# Allegro board ADALM-PLUTO Layout.brd (continued)
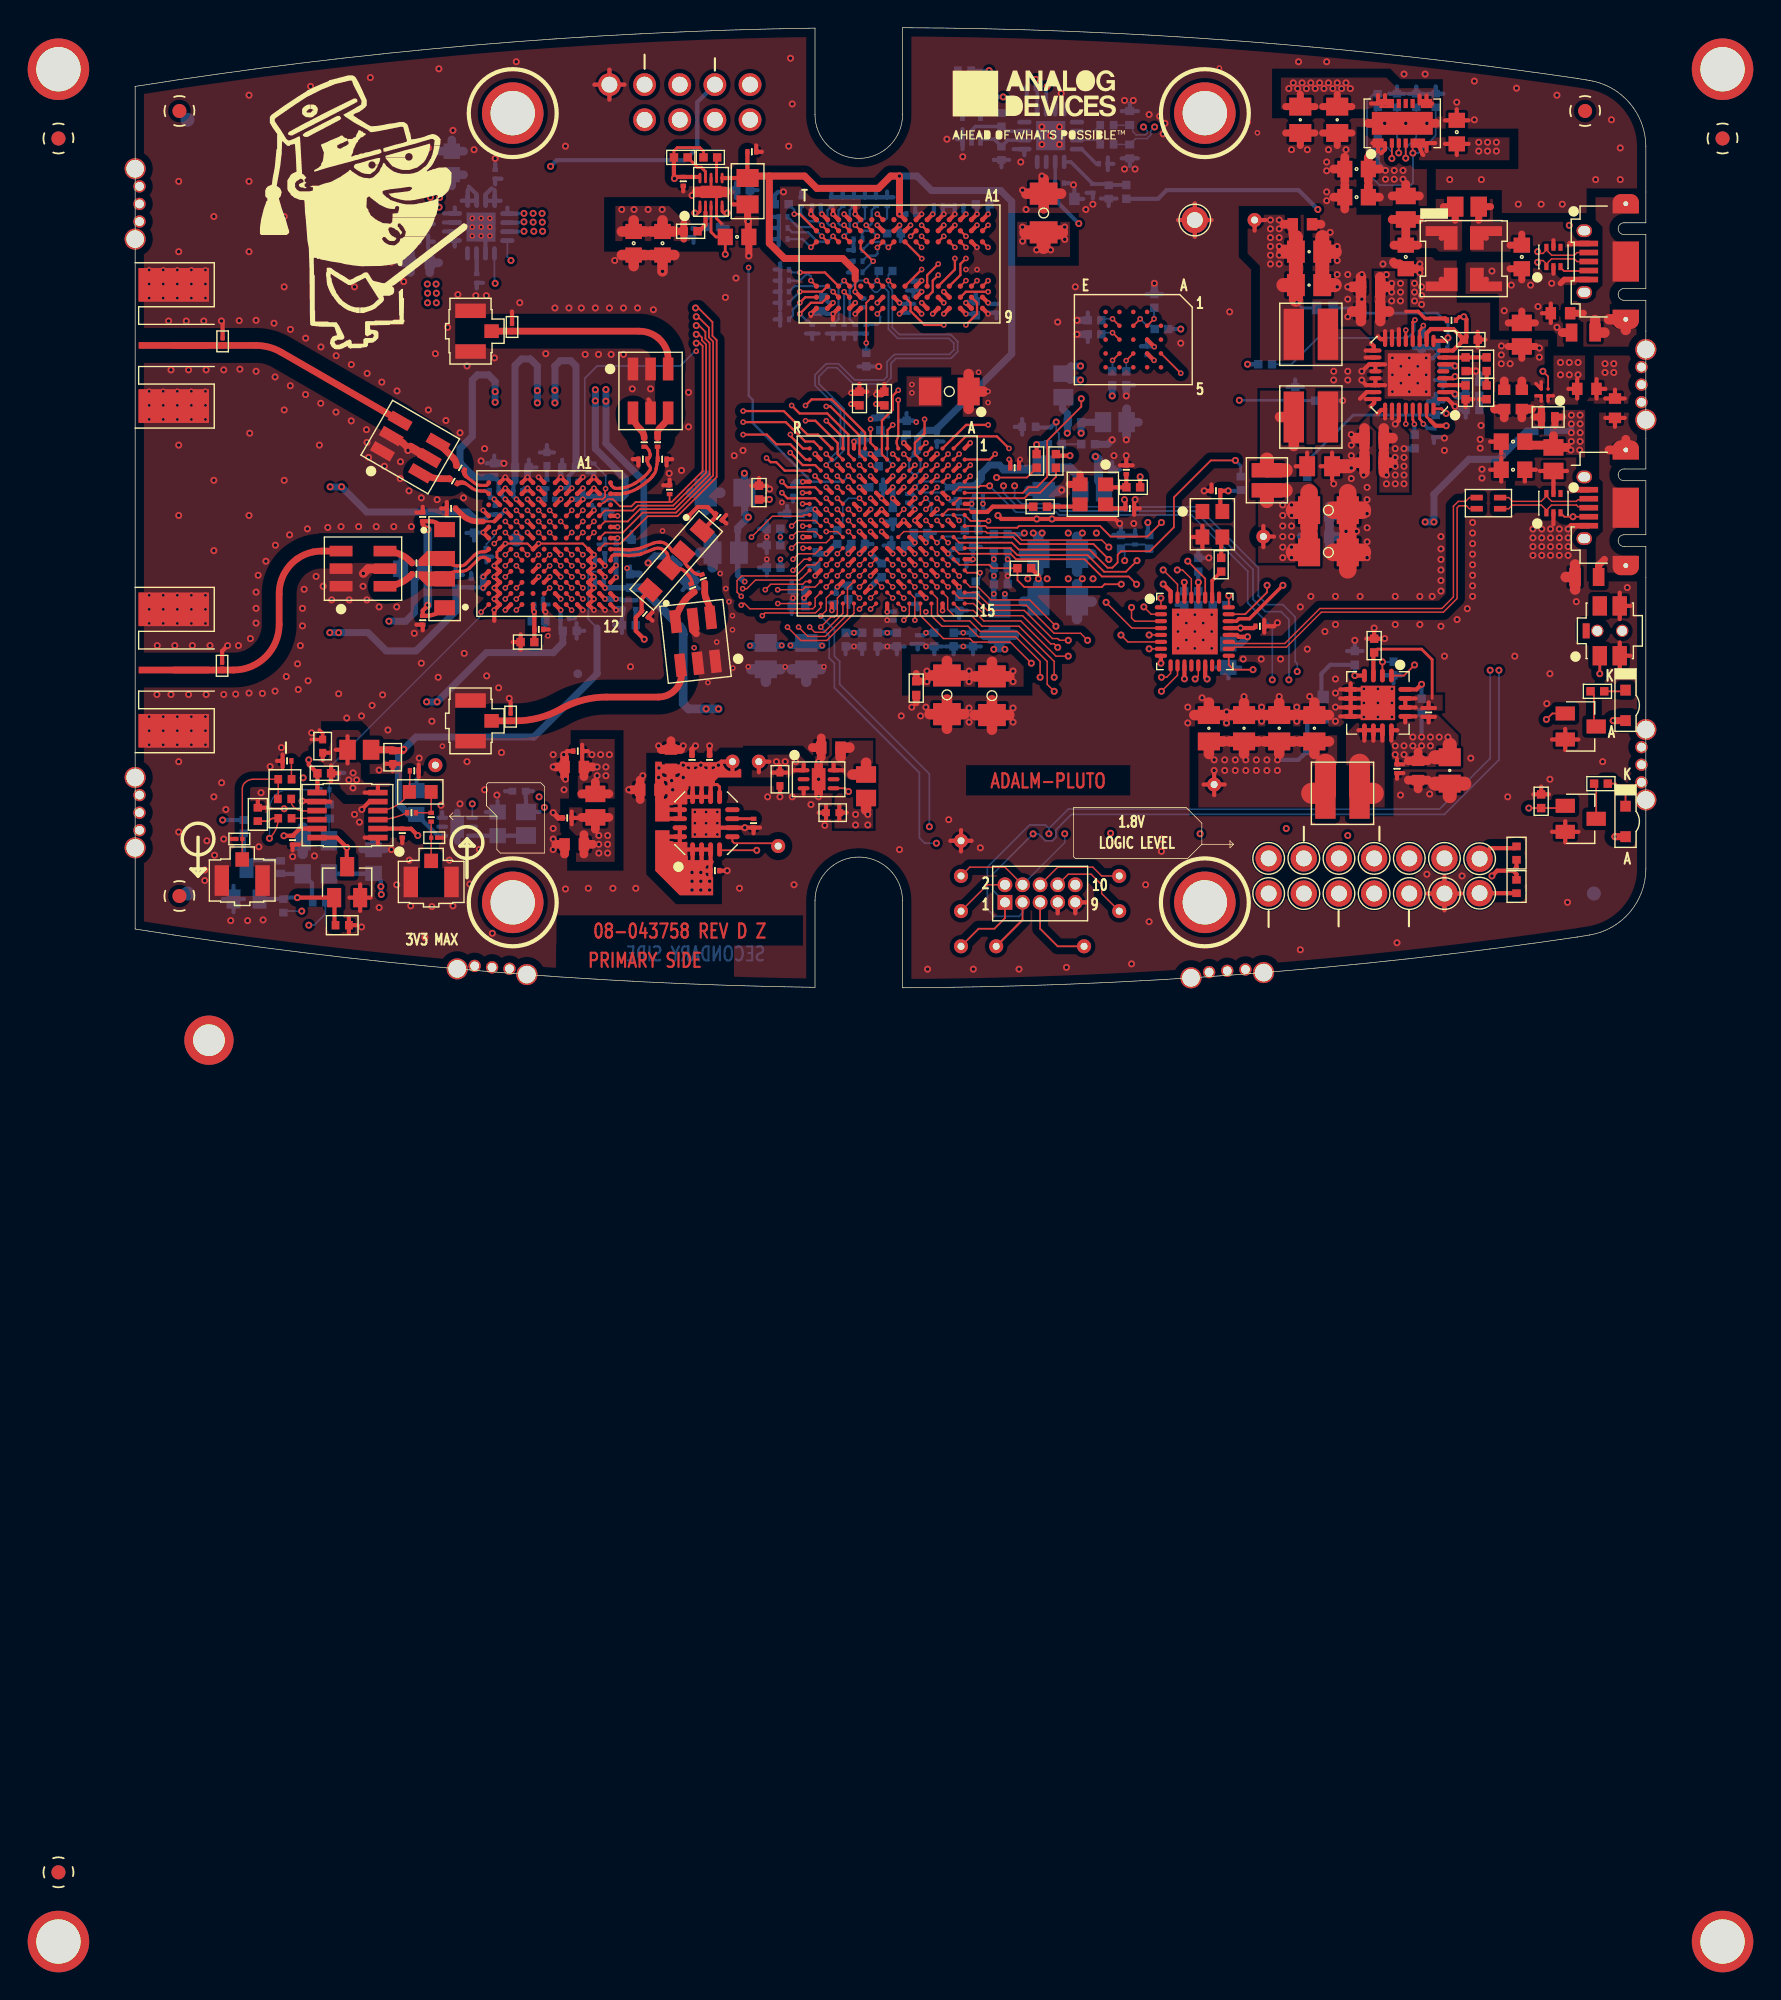
[diagram p0: board, top side]
## Routing (per net, layer and track width the routed paths; a pad name or vN(x,y) marks a point on that pad's centre or on a via; arc(x,y) is an arc through that point) (continued)
IO_L04_34_RX_D7: length 49.7
  TOP w0.102: v2(53.13,28.15) U4.J14 ; U5.J9 v2(27.54,30.48)
  L5_SIG w0.114: v2(27.54,30.48) 27.54,29.97 28.17,29.34 28.17,25.47 28.55,25.09 28.85,25.09 28.99,25.24 28.99,26.22 29.14,26.36 29.34,26.36 29.45,26.26 29.45,25.27 29.66,25.05 31,25.05 31.6,25.65 31.6,26.22 31.75,26.36 31.95,26.36 32.1,26.22 32.1,25.75 32.24,25.6 32.45,25.6 32.59,25.75 32.59,26.22 32.74,26.36 32.94,26.36 33.09,26.22 33.09,25.75 33.23,25.6 33.44,25.6 33.58,25.75 33.58,26.22 33.73,26.36 33.93,26.36 34.08,26.22 34.08,25.75 34.22,25.6 34.43,25.6 34.57,25.75 34.57,26.22 34.72,26.36 34.92,26.36 35.07,26.22 35.07,25.75 35.21,25.6 35.42,25.6 35.56,25.75 35.56,26.22 35.71,26.36 35.91,26.36 36.06,26.22 36.06,25.75 36.2,25.6 37.99,25.6 38.13,25.46 38.13,25.11 38.28,24.97 38.48,24.97 38.63,25.11 38.63,25.46 38.77,25.6 39.72,25.6 40.39,24.93 40.54,24.93 40.76,24.71 40.76,24.57 41.81,23.51 41.81,23.31 41.38,22.88 41.38,22.67 41.53,22.53 41.73,22.53 42.16,22.96 42.37,22.96 42.51,22.81 42.51,22.61 42.21,22.3 42.21,22.1 42.36,21.95 42.56,21.95 42.86,22.26 43.07,22.26 43.41,21.92 50.52,21.92 52.73,24.13 52.73,27.75 v2(53.13,28.15)
IO_L05_34_RX_D8: length 49
  TOP w0.102: v2(53.13,27.35) U4.J15 ; U5.K7 v2(26.74,31.28)
  L5_SIG w0.114: v2(26.74,31.28) 27.14,30.88 27.14,29.94 27.91,29.17 27.91,29.04 27.92,29.03 27.92,25.22 28.57,24.56 29.31,24.56 29.46,24.71 30.07,24.71 30.2,24.58 32.23,24.58 32.32,24.67 32.32,25.14 32.42,25.24 32.72,25.24 32.82,25.14 32.82,24.66 32.97,24.51 33.32,24.51 33.5,24.69 33.5,25.09 33.63,25.22 34.01,25.22 34.14,25.09 34.14,24.56 34.26,24.43 34.77,24.43 34.9,24.56 34.9,25.09 35.02,25.22 35.41,25.22 35.53,25.09 35.53,24.69 35.61,24.61 35.81,24.61 35.91,24.71 35.91,25.02 36.02,25.13 36.21,25.13 36.35,24.98 36.35,24.68 36.5,24.53 37.06,24.53 37.31,24.79 37.31,25.13 37.4,25.22 37.6,25.22 37.75,25.07 37.75,24.76 38.25,24.25 38.56,24.25 39.39,25.09 39.6,25.09 39.85,24.84 39.85,24.58 39.39,24.12 39.39,24.03 39.54,23.88 39.74,23.88 39.99,24.14 40.2,24.14 40.36,23.98 40.36,23.8 40.09,23.53 40.09,23.33 40.24,23.18 40.44,23.18 40.91,23.65 41.11,23.65 41.26,23.51 41.26,23.3 40.74,22.78 40.74,22.55 40.87,22.43 40.87,21.79 40.98,21.67 41.75,21.67 41.88,21.54 50.77,21.54 53.13,23.89 v2(53.13,27.35)
IO_L05_34_RX_D9: length 49.1
  TOP w0.102: U5.J8 v2(27.54,31.28) ; v2(52.33,27.35) U4.K15
  L5_SIG w0.114: v2(27.54,31.28) 27.95,30.88 27.95,30.07 28.45,29.57 28.45,26.97 28.67,26.74 29.82,26.74 30.07,27 30.33,27 30.59,26.73 30.59,25.62 30.74,25.47 30.94,25.47 31.09,25.62 31.09,26.6 31.23,26.74 35.11,26.74 35.25,26.89 35.25,28.7 35.4,28.85 35.6,28.85 35.75,28.7 35.75,26.89 35.89,26.74 36.3,26.74 36.45,26.6 36.45,26.13 36.59,25.98 36.8,25.98 36.94,26.13 36.94,26.5 37.09,26.64 37.29,26.64 37.44,26.5 37.44,26.13 37.58,25.98 37.79,25.98 38,26.19 38,27.45 38.15,27.61 38.38,27.61 38.48,27.51 38.48,26.11 38.61,25.98 38.86,25.98 38.99,26.11 38.99,27.51 39.09,27.61 39.35,27.61 39.47,27.49 39.47,26.16 39.64,25.98 39.98,25.98 42.81,23.15 42.81,22.93 43.02,22.71 43.25,22.71 43.66,22.3 50.26,22.3 52.33,24.36 v2(52.33,27.35)
IO_L06_34_RX_D10: length 49.5
  TOP w0.102: U5.J7 v2(28.35,31.28) ; U4.H11 v2(54.73,30.55)
  L5_SIG w0.114: v2(28.35,31.28) 28.35,30.02 28.75,29.62 28.75,28.59 29.66,27.68 34.14,27.68 34.35,27.88 34.35,28.48 35.15,29.28 35.99,29.28 36.13,29.13 36.13,27.27 36.28,27.12 36.48,27.12 36.63,27.27 36.63,29.13 36.77,29.28 36.98,29.28 37.12,29.13 37.12,28.16 37.27,28.01 37.47,28.01 37.62,28.16 37.62,29.13 37.76,29.28 37.97,29.28 38.11,29.13 38.11,28.16 38.26,28.01 38.46,28.01 38.61,28.16 38.61,29.13 38.76,29.28 38.97,29.28 39.09,29.16 39.09,28.39 39.85,27.63 39.85,26.66 41.64,24.88 41.64,24.73 42.91,23.46 43.33,23.46 43.55,23.24 43.55,22.97 43.84,22.68 49.88,22.68 51.53,24.33 51.53,28.05 52.03,28.55 53.33,28.55 53.53,28.75 53.53,29.16 53.81,29.44 53.81,29.63 v2(54.73,30.55)
IO_L06_34_RX_D11: length 51.9
  TOP w0.102: U5.H8 v2(29.15,31.28) ; U4.J11 v2(53.13,30.55)
  L5_SIG w0.114: v2(29.15,31.28) 29.56,30.86 29.56,28.65 29.74,28.48 30.95,28.48 31.15,28.68 31.15,29.88 31.35,30.08 31.74,30.08 31.94,29.88 31.94,28.68 32.14,28.48 32.54,28.48 32.74,28.68 32.74,29.88 32.94,30.08 33.35,30.08 33.54,29.88 33.54,29.48 33.74,29.28 34.15,29.28 34.35,29.48 34.35,29.88 34.55,30.08 35.13,30.08 35.42,29.79 35.79,29.79 36.29,30.3 36.68,30.3 37,29.97 37,29.81 37.15,29.66 37.35,29.66 37.5,29.81 37.5,30.33 37.64,30.48 37.9,30.48 38.07,30.3 38.07,29.79 38.2,29.66 39.22,29.66 39.45,29.43 39.45,28.58 40.23,27.79 40.23,26.87 40.4,26.7 40.61,26.7 40.91,27 41.12,27 41.26,26.86 41.26,26.65 40.96,26.35 40.96,26.14 41.1,26 41.31,26 41.61,26.3 41.82,26.3 41.96,26.16 41.96,25.95 41.66,25.65 41.66,25.44 41.76,25.34 42.05,25.34 42.31,25.6 42.52,25.6 42.66,25.46 42.66,25.25 42.42,25.01 42.42,24.81 42.57,24.66 42.77,24.66 43.01,24.9 43.22,24.9 43.36,24.76 43.36,24.55 43.16,24.35 43.16,24.12 43.72,23.57 44.57,23.57 44.71,23.71 44.71,24.06 44.86,24.2 45.06,24.2 45.21,24.06 45.21,23.71 45.35,23.57 45.82,23.57 45.96,23.42 45.96,23.21 46.11,23.06 46.31,23.06 46.46,23.21 46.46,23.42 46.6,23.57 47.32,23.57 47.47,23.42 47.47,23.21 47.61,23.06 47.82,23.06 47.97,23.21 47.97,23.42 48.11,23.57 48.32,23.57 48.46,23.42 48.46,23.21 48.61,23.06 48.81,23.06 48.96,23.21 48.96,23.42 49.1,23.57 50.14,23.57 51.15,24.58 51.15,28.17 51.83,28.85 51.83,29.15 52.03,29.35 53.38,29.35 53.57,29.54 53.57,30.43 53.45,30.55 v2(53.13,30.55)
IO_L07_34_RX_FRAME: length 53.7
  TOP w0.102: U5.G8 v2(29.95,31.28) ; v2(49.93,28.95) U4.N13
  L5_SIG w0.114: v2(49.93,28.95) 49.93,25.9 50.36,25.47 50.36,24.77 49.86,24.27 46.13,24.27 45.61,24.8 45.61,25 45.91,25.31 45.91,25.51 45.77,25.66 45.56,25.66 45.26,25.35 45.05,25.35 44.91,25.5 44.91,25.7 45.21,26.01 45.21,26.21 45.07,26.36 44.86,26.36 44.56,26.05 44.35,26.05 44.21,26.2 44.21,26.4 44.91,27.11 44.91,27.31 44.77,27.46 44.56,27.46 43.95,26.85 43.7,26.85 43.41,27.14 43.41,29.13 42.64,29.9 42.64,30.07 42.42,30.29 42.25,30.29 41.8,30.73 41.6,30.73 41.18,30.32 40.98,30.32 40.83,30.46 40.83,30.67 41.25,31.08 41.25,31.29 41.1,31.43 40.9,31.43 40.48,31.02 40.28,31.02 39.78,31.51 39.78,31.79 39.92,31.93 40.84,31.93 40.99,32.08 40.99,32.28 40.84,32.43 39.92,32.43 39.78,32.57 39.78,32.78 39.92,32.93 40.34,32.93 40.49,33.07 40.49,33.28 40.34,33.42 39.43,33.42 39.28,33.28 39.28,32.35 39.14,32.2 38.93,32.2 38.79,32.35 38.79,33.68 38.64,33.82 38.44,33.82 38.29,33.68 38.29,33.41 38.25,33.36 37.94,33.36 37.8,33.51 37.8,33.68 37.65,33.82 37.45,33.82 37.3,33.68 37.3,32.35 37.16,32.2 36.95,32.2 36.81,32.35 36.81,33.23 36.66,33.37 35.64,33.37 35.45,33.18 35.45,32.94 35.59,32.79 36.2,32.79 36.35,32.65 36.35,32.44 36.2,32.3 35.59,32.3 35.45,32.15 35.45,31.88 35.25,31.68 35.06,31.68 34.79,31.95 34.55,31.95 34.28,31.68 34.07,31.68 33.93,31.82 33.93,32.23 33.78,32.38 33.58,32.38 33.43,32.23 33.43,31.82 33.29,31.68 33.08,31.68 32.94,31.82 32.94,32.23 32.79,32.38 32.59,32.38 32.44,32.23 32.44,31.82 32.3,31.68 32.09,31.68 31.95,31.82 31.95,32.23 31.8,32.38 31.6,32.38 31.45,32.23 31.45,31.82 31.31,31.68 30.35,31.68 v2(29.95,31.28)
IO_L08_34_CTRL_OUT0: length 30.4
  TOP w0.102: U5.D4 v2(32.34,34.48) ; v2(47.13,26.05) 48.09,25.08 49.97,25.08 51.93,27.04 U4.L15
  L5_SIG w0.114: v2(47.13,26.05) 47.13,27.94 46.83,28.25 46.23,28.25 45.95,28.52 45.95,29.02 42.52,32.45 42.52,34.11 40.99,35.63 35.91,35.63 35.07,36.48 32.95,36.48 32.75,36.28 32.75,34.88 v2(32.34,34.48)
IO_L08_34_CTRL_OUT1: length 31.1
  TOP w0.102: U5.E4 v2(31.54,34.48) ; v2(48.73,26.05) 49.1,25.67 49.76,25.67 51.13,27.04 U4.M15
  L5_SIG w0.114: v2(31.54,34.48) 31.95,34.88 31.95,37.08 32.15,37.28 35.15,37.28 36.42,36.01 41.12,36.01 42.9,34.24 42.9,33.47 43.62,32.75 43.62,31.85 45.33,30.15 45.73,30.15 46.83,29.05 48.23,29.05 48.73,28.55 v2(48.73,26.05)
IO_L09_34_TX_FRAME: length 28.7
  TOP w0.102: v2(52.33,28.15) U4.L14 ; v2(29.94,30.48) U5.G9
  L6_SIG w0.114: v2(29.94,30.48) 29.94,30.43 30.33,30.05 30.33,27.12 32.1,25.35 36.36,25.35 36.6,25.59 36.95,25.59 37.21,25.34 42.4,25.34 42.68,25.22 48.76,25.22 49.86,25.67 v2(52.33,28.15)
IO_L10_34_EN_AGC: length 35.1
  TOP w0.102: v2(47.93,26.05) 48.6,25.37 49.86,25.37 51.46,26.97 51.46,28.88 U4.L13 ; U5.G5 v2(29.14,33.68)
  L5_SIG w0.114: v2(47.93,26.05) 47.45,25.57 46.9,25.57 46.63,25.84 46.63,26.84 45.13,28.35 45.13,29.35 42.14,32.33 42.14,33.98 40.87,35.25 34.01,35.25 33.65,34.89 33.65,34.28 33.45,34.08 32.15,34.08 30.55,32.48 29.75,32.48 29.55,32.68 29.55,33.28 v2(29.14,33.68)
IO_L11_34_ENABLE: length 30.6
  TOP w0.102: U5.G6 v2(29.14,32.88) ; U4.K12 v2(52.33,29.75)
  L6_SIG w0.114: v2(52.33,29.75) 51.93,30.15 51.33,30.15 51.13,30.35 51.13,32.35 50.13,33.35 49.33,33.35 48.83,33.85 48.12,33.85 47.83,33.55 47.83,33.15 47.63,32.95 47.23,32.95 46.63,33.55 45.49,33.55 43.53,35.51 32.64,35.51 32.5,35.65 31.39,35.65 31.17,35.43 31.17,35.1 30.15,34.08 29.75,34.08 29.55,33.88 29.55,33.28 v2(29.14,32.88)
IO_L11_34_TXNRX: length 32.7
  TOP w0.102: U4.K11 v2(52.33,30.55) ; U5.H4 v2(28.35,34.48)
  L6_SIG w0.114: v2(28.35,34.48) 28.75,34.88 28.75,37.18 29.48,37.92 42.16,37.92 45.93,34.15 51.73,34.15 51.93,33.95 51.93,30.95 v2(52.33,30.55)
IO_L12_MRCC_34_DATA_CLK: length 52.3
  TOP w0.102: U4.L12 v2(51.53,29.75) ; U5.G11 v2(29.95,28.88)
  L5_SIG w0.114: v2(51.53,29.75) 51.53,29.05 50.77,28.29 50.77,24.69 50.03,23.95 45.95,23.95 44.55,25.35 44.34,25.35 43.91,24.92 43.71,24.92 43.56,25.06 43.56,25.27 43.99,25.7 43.99,25.9 43.58,26.32 42.31,26.32 42.16,26.47 42.16,26.67 42.72,27.23 42.72,27.43 42.59,27.56 42.35,27.56 41.81,27.02 41.61,27.02 41.46,27.17 41.46,27.37 42.4,28.31 42.4,28.51 42.25,28.66 42.05,28.66 40.98,27.59 40.78,27.59 40.63,27.74 40.63,27.94 42.08,29.39 42.08,29.58 41.89,29.76 41.89,29.78 41.89,29.78 41.68,29.78 40.32,28.42 40.11,28.42 39.97,28.56 39.97,28.77 40.74,29.54 40.74,29.92 40.5,30.16 40.29,30.16 39.93,29.79 39.72,29.79 39.58,29.94 39.58,30.14 39.94,30.51 39.94,30.72 39.8,30.86 39.59,30.86 38.97,30.24 38.77,30.24 38.62,30.39 38.62,30.59 39.24,31.21 39.24,31.54 38.96,31.82 38.45,31.82 38.31,31.68 38.31,31.02 38.16,30.88 37.92,30.88 37.78,31.02 37.78,31.68 37.63,31.82 37.43,31.82 37.28,31.68 37.28,31.36 37.12,31.21 36.94,31.21 36.79,31.36 36.79,31.68 36.64,31.82 36.43,31.82 36.29,31.68 36.29,30.9 36.14,30.75 35.94,30.75 35.79,30.9 35.79,31.17 35.65,31.32 35.44,31.32 35.3,31.17 35.3,31.08 35.1,30.88 30.55,30.88 30.35,30.68 30.35,29.28 v2(29.95,28.88)
IO_L13_34_CTRL_OUT2: length 29.4
  TOP w0.102: U5.E5 v2(30.74,33.68) ; U4.N11 v2(49.93,30.55)
  L5_SIG w0.114: v2(49.93,30.55) 48.63,30.55 47.83,29.74 47.13,29.74 46.13,30.75 46.13,31.05 44.93,32.25 44.93,32.85 44.52,33.25 44.22,33.25 43.53,33.94 43.53,34.62 41.41,36.75 38.77,36.75 38.76,36.73 38.41,36.73 38.39,36.75 36.71,36.75 35.41,38.05 31.98,38.05 31.21,37.28 31.21,36.75 30.94,36.48 30.44,36.48 30.25,36.28 30.25,35.18 30.74,34.68 v2(30.74,33.68)
IO_L13_34_CTRL_OUT3: length 30.4
  TOP w0.102: U5.E6 v2(31.54,32.88) ; U4.N12 v2(49.93,29.75)
  L5_SIG w0.114: v2(31.54,32.88) 31.94,33.28 33.55,33.28 34.05,33.78 34.05,34.53 34.39,34.87 39.66,34.87 41.37,33.16 41.37,32.1 41.82,31.65 42.32,31.65 43.55,30.42 43.56,30.42 43.78,30.2 43.78,30.18 44.83,29.14 44.83,28.1 46.23,26.7 46.23,25.74 46.78,25.19 48.58,25.19 49.13,25.74 49.13,28.95 v2(49.93,29.75)
IO_L15_34_TX_D0: length 23.5
  TOP w0.102: v2(31.53,27.27) 31.22,27.58 31.22,27.6 U5.E12 ; U4.P15 49.53,27.45 49.15,27.07 45.51,27.07 v2(45.31,26.87)
  L6_SIG w0.114: v2(45.31,26.87) 45.95,26.87 46.2,26.62 46.2,26.36 45.82,25.98 43.55,25.98 43.31,26.23 43.24,26.23 43.23,26.24 42.78,26.24 42.52,25.98 42.15,25.98 41.89,26.24 41.44,26.24 41.19,25.98 40.82,25.98 40.56,26.24 40.11,26.24 39.85,25.98 39.48,25.98 39.22,26.24 38.77,26.24 38.52,25.98 38.14,25.98 37.88,26.24 37.43,26.24 37.28,26.08 36.7,26.08 36.55,26.24 35.28,26.24 34.9,25.85 32.57,25.85 31.53,26.89 v2(31.53,27.27)
IO_L15_34_TX_D1: length 23.3
  TOP w0.102: v2(45.53,28.75) 45.92,29.14 48.23,29.14 48.43,29.34 48.72,29.34 U4.R13 ; U5.D11 v2(32.35,28.08)
  L6_SIG w0.114: v2(45.53,28.75) 44.83,28.75 44.43,28.35 44.43,27.64 44.05,27.26 43.63,27.26 43.39,27.51 41.96,27.51 41.83,27.64 41.83,28.12 41.68,28.27 41.47,28.27 41.33,28.12 41.33,27.52 41.18,27.38 40.98,27.38 40.83,27.52 40.83,28.12 40.69,28.27 40.48,28.27 40.34,28.12 40.34,27.52 40.19,27.38 39.99,27.38 39.84,27.52 39.84,28.12 39.7,28.27 39.49,28.27 39.35,28.12 39.35,27.52 39.2,27.38 38.45,27.38 37.69,28.14 35.41,28.14 34.94,27.68 32.95,27.68 32.74,27.88 32.74,28 32.67,28.08 v2(32.35,28.08)
IO_L16_34_TX_D2: length 22.6
  TOP w0.102: v2(46.43,27.75) U4.R15 ; v2(31.54,28.07) 31.53,28.08 31.53,28.09 U5.E11
  L6_SIG w0.114: v2(31.54,28.07) 31.54,27.78 31.64,27.68 31.74,27.68 31.94,27.48 31.94,26.98 32.43,26.49 35.66,26.49 35.89,26.72 35.89,27.13 36.04,27.28 36.24,27.28 36.39,27.13 36.39,26.82 36.59,26.62 42.88,26.62 43.01,26.49 44.3,26.49 45.44,27.63 45.74,27.63 46.18,27.19 47.07,27.19 47.27,27.39 47.27,27.57 47.09,27.75 v2(46.43,27.75)
IO_L16_34_TX_D3: length 23.8
  TOP w0.102: v2(43.79,28.27) 43.67,28.38 43.48,28.57 43.48,29.41 43.82,29.75 47.73,29.75 48.53,30.54 49.12,30.54 U4.P11 ; U5.D10 v2(32.34,28.88)
  L6_SIG w0.114: v2(43.79,28.27) 42.77,29.28 41.49,29.28 41.26,29.05 41.05,29.05 40.91,29.19 40.91,29.43 40.76,29.58 40.56,29.58 40.41,29.43 40.41,29.19 40.27,29.05 40.06,29.05 39.92,29.19 39.92,29.43 39.77,29.58 39.57,29.58 39.42,29.43 39.42,29.19 39.28,29.05 39.07,29.05 38.93,29.19 38.93,29.43 38.78,29.58 38.58,29.58 38.43,29.43 38.43,29.07 38.29,28.92 38.08,28.92 37.94,29.07 37.94,29.43 37.79,29.58 37.55,29.58 36.95,28.98 35.95,28.98 35.66,29.27 32.73,29.27 v2(32.34,28.88)
IO_L17_34_TX_D4: length 23.4
  TOP w0.102: U5.E10 v2(31.54,28.88) ; U4.R11 48.33,30.95 v2(47.53,30.15)
  L6_SIG w0.114: v2(47.53,30.15) 47.96,29.72 47.96,29.28 46.96,28.28 45.07,28.28 44.85,28.06 44.85,27.56 44.3,27 43.55,27 43.31,27.24 43,27.24 42.75,27 38.33,27 37.69,27.63 35.7,27.63 35.41,27.34 35.41,27 35.19,26.78 32.95,26.78 32.74,26.98 32.74,27.48 32.55,27.68 32.15,27.68 31.94,27.88 31.94,28.28 31.74,28.48 31.62,28.48 31.54,28.55 v2(31.54,28.88)
IO_L17_34_TX_D5: length 22.6
  TOP w0.102: v2(43.89,28.82) 43.89,28.82 44.19,28.82 44.81,29.45 48,29.45 48.13,29.57 48.15,29.57 U4.R12 ; U5.D9 v2(32.34,29.68)
  L6_SIG w0.114: v2(32.34,29.68) 32.75,30.08 35.13,30.08 35.33,29.88 35.55,29.88 36.05,29.38 36.75,29.38 37.35,29.98 41.06,29.98 41.37,29.66 41.99,29.66 42.11,29.55 42.42,29.55 42.54,29.66 43.53,29.66 43.93,30.06 43.93,30.3 44.08,30.45 44.93,30.45 45.31,30.06 45.31,29.74 44.48,28.9 43.97,28.9 v2(43.89,28.82)
IO_L18_34_TX_D6: length 22.8
  TOP w0.102: U5.E9 v2(31.54,29.68) ; U4.P14 49.13,28.14 49.13,27.55 48.95,27.37 44.4,27.37 44.01,27.76 43.91,27.76 v2(43.79,27.63)
  L6_SIG w0.114: v2(31.54,29.68) 31.94,29.28 31.94,28.72 32.19,28.48 34.31,28.48 34.46,28.62 34.46,28.73 34.6,28.88 34.85,28.88 35.2,28.52 38.21,28.52 38.35,28.38 38.35,27.95 38.48,27.83 38.75,27.83 38.87,27.95 38.87,28.43 39.09,28.65 41.5,28.65 41.73,28.88 42.05,28.88 42.16,28.77 42.16,28.45 42.29,28.32 43.1,28.32 v2(43.79,27.63)
IO_L18_34_TX_D7: length 22.8
  TOP w0.102: U4.P13 49.12,28.94 48.42,28.94 48.23,28.75 46.63,28.75 46.63,28.75 v2(46.42,28.75) ; U5.D8 v2(32.34,30.48)
  L6_SIG w0.114: v2(46.42,28.75) 46.92,28.75 47.13,28.95 47.13,30.25 46.93,30.45 46.6,30.45 46.33,30.17 45.76,30.17 45.05,30.88 42.72,30.88 42.58,30.74 42.58,30.52 42.43,30.38 42.23,30.38 42.08,30.52 42.08,30.74 41.94,30.88 41.6,30.88 41.46,30.74 41.46,30.52 41.31,30.38 37.39,30.38 37.18,30.17 36.23,30.17 35.68,30.72 35.3,30.72 35.15,30.88 32.75,30.88 v2(32.34,30.48)
IO_L19_34_TX_D8: length 22.8
  TOP w0.102: U5.E8 v2(31.54,30.48) ; U4.N9 49.93,32.15 47.82,32.15 v2(47.42,31.75)
  L6_SIG w0.114: v2(47.42,31.75) 44.93,31.75 44.86,31.68 40.86,31.68 40.72,31.82 40.72,32.24 40.57,32.38 40.37,32.38 40.22,32.24 40.22,31.82 40.08,31.68 38.85,31.68 38.71,31.82 36.65,31.82 36.46,31.63 36.46,31.32 36.31,31.18 36.11,31.18 35.96,31.32 35.96,31.76 35.75,31.98 32.45,31.98 31.94,31.47 31.94,30.88 v2(31.54,30.48)
IO_L19_34_TX_D9: length 23.7
  TOP w0.102: U4.M9 50.73,32.95 v2(49.93,32.95) ; U5.D7 v2(32.34,31.28)
  L6_SIG w0.114: v2(32.34,31.28) 32.35,31.28 32.75,31.68 34.95,31.68 35.66,30.96 35.78,30.96 35.97,30.78 36.56,30.78 36.88,31.1 37.23,31.1 37.56,30.78 37.77,30.78 37.92,30.92 37.92,31.13 38.06,31.28 38.27,31.28 38.41,31.13 38.41,30.92 38.56,30.78 38.76,30.78 38.91,30.92 38.91,31.13 39.05,31.28 39.26,31.28 39.4,31.13 39.4,30.92 39.55,30.78 39.75,30.78 39.9,30.92 39.9,31.13 40.04,31.28 40.25,31.28 40.39,31.13 40.39,30.92 40.54,30.78 40.85,30.78 41.35,31.28 45.36,31.28 45.43,31.36 47.63,31.36 47.83,31.55 47.83,31.95 48.03,32.15 49.53,32.15 49.93,32.55 v2(49.93,32.95)
IO_L20_34_TX_D10: length 22.4
  TOP w0.102: U5.F8 v2(30.74,30.48) ; v2(48.22,33.34) 48.23,33.35 U4.R8
  L6_SIG w0.114: v2(48.22,33.34) 48.13,33.05 47.83,32.75 47.83,32.35 47.62,32.15 45.37,32.15 45.06,32.46 45.06,33.02 44.85,33.22 38.4,33.22 38.25,33.36 35.9,33.36 35.56,33.71 34.17,33.71 33.94,33.48 33.94,33.03 33.39,32.48 32.14,32.48 31.68,32.02 31.48,32.02 31.14,31.68 31.14,30.88 30.75,30.48 v2(30.74,30.48)
IO_L20_34_TX_D11: length 22.7
  TOP w0.102: U5.E7 v2(31.54,31.28) ; U4.R7 48.32,34.15 48.23,34.05 46.03,34.05 v2(44.53,32.55)
  L6_SIG w0.114: v2(31.54,31.28) 31.54,31.68 31.65,31.78 31.85,31.78 32.31,32.24 33.79,32.24 34.4,32.85 35.52,32.85 36.14,32.24 36.72,32.24 36.87,32.38 36.87,32.54 37.01,32.68 37.22,32.68 37.36,32.54 37.36,32.38 37.51,32.24 37.71,32.24 37.86,32.38 37.86,32.54 37.91,32.59 38.3,32.59 38.35,32.54 38.35,32.38 38.5,32.24 38.7,32.24 38.85,32.38 38.85,32.54 38.99,32.68 39.2,32.68 39.34,32.54 39.34,32.26 39.49,32.11 39.69,32.11 39.84,32.26 39.84,32.66 39.98,32.81 41.05,32.81 41.2,32.66 41.2,32.24 41.36,32.08 44.4,32.08 44.53,32.21 v2(44.53,32.55)
IO_L21_34_CTRL_OUT4: length 32.1
  TOP w0.102: U5.F6 v2(29.95,32.88) ; U4.M10 v2(50.73,31.35)
  L5_SIG w0.114: v2(29.95,32.88) 30.35,33.28 30.95,33.28 31.14,33.47 31.14,36.28 31.6,36.73 31.6,37.16 32.1,37.67 35.28,37.67 36.57,36.38 41.27,36.38 43.26,34.38 43.26,33.61 44.02,32.85 44.02,31.95 45.53,30.45 45.93,30.45 46.91,29.47 48.26,29.47 48.93,30.14 50.93,30.14 51.13,30.34 51.13,30.95 v2(50.73,31.35)
IO_L21_34_CTRL_OUT5: length 30.6
  TOP w0.102: U5.F5 v2(29.95,33.67) ; U4.M11 v2(50.73,30.55)
  L5_SIG w0.114: v2(29.95,33.67) 30.34,34.07 30.34,34.68 29.95,35.08 29.95,36.65 31.72,38.43 40.55,38.43 45.23,33.75 45.23,32.31 45.69,31.85 46.33,31.85 47.03,31.15 47.03,30.88 47.36,30.54 47.93,30.54 48.34,30.95 50.33,30.95 v2(50.73,30.55)
IO_L22_34_CTRL_OUT6: length 32.3
  TOP w0.102: U5.F4 v2(29.94,34.48) ; v2(49.93,34.55) U4.N7
  L5_SIG w0.114: v2(49.93,34.55) 48.76,33.38 48.76,32.48 48.43,32.14 47.26,32.14 47.03,32.38 47.03,32.95 40.79,39.19 31.34,39.19 29.69,37.54 29.18,37.54 28.74,37.1 28.74,34.18 28.85,34.08 29.54,34.08 v2(29.94,34.48)
IO_L22_34_CTRL_OUT7: length 30.1
  TOP w0.102: v2(49.93,33.75) U4.N8 ; U5.G4 v2(29.14,34.48)
  L5_SIG w0.114: v2(49.93,33.75) 49.53,33.35 49.53,32.15 48.73,31.34 47.23,31.34 46.23,32.35 46.23,33.25 40.67,38.81 31.6,38.81 29.55,36.76 29.55,34.88 v2(29.14,34.48)
IO_L23_35_SPI_CLK: length 70.4
  TOP w0.102: U5.J5 v2(27.55,33.68) ; U4.E11 v2(57.13,30.55)
  L5_SIG w0.114: v2(27.55,33.68) 27.15,33.28 24.56,33.28 21.94,30.66 21.94,23.57 28.17,17.35 34.52,17.35 35.15,16.71 42.26,16.71 42.77,17.22 54.18,17.22 54.47,17.51 57.92,17.51 58.83,18.42 58.83,25.95 59.33,26.45 59.33,28.05 59.13,28.25 59.13,30.74 58.93,30.95 57.53,30.95 v2(57.13,30.55)
IO_L23_35_SPI_ENB: length 66.4
  TOP w0.102: U4.E12 v2(57.13,29.75) ; U5.K6 v2(26.74,32.88)
  L5_SIG w0.114: v2(26.74,32.88) 26.34,32.48 24.18,32.48 22.2,30.49 22.2,23.82 28.42,17.6 36.93,17.6 37.56,16.96 41.88,16.96 42.52,17.6 53.8,17.6 54.09,17.89 57.67,17.89 58.53,18.76 58.53,26.15 59.03,26.65 59.03,27.74 58.33,28.44 58.33,29.95 58.13,30.15 57.53,30.15 v2(57.13,29.75)
IO_L24_35_SPI_DI: length 64.1
  TOP w0.102: U5.J4 v2(27.54,34.48) ; U4.E13 v2(57.13,28.95)
  L5_SIG w0.114: v2(57.13,28.95) 57.23,28.64 57.93,27.94 57.93,19.32 57.26,18.65 53.58,18.65 53.42,18.49 28.55,18.49 22.83,24.2 22.83,30.27 22.99,30.43 23.2,30.43 23.42,30.21 23.63,30.21 23.77,30.35 23.77,30.56 23.55,30.78 23.55,30.99 24.23,31.68 27.24,31.68 27.94,32.38 U5.J4 v2(27.54,34.48)
IO_L24_35_SPI_DO: length 62.6
  TOP w0.102: U5.L6 v2(25.94,32.08) ; U4.F12 v2(56.33,29.75)
  L5_SIG w0.114: v2(25.94,32.08) 24.23,32.08 22.58,30.43 22.58,23.95 28.55,17.98 53.54,17.98 53.83,18.27 57.54,18.27 58.23,18.96 58.23,26.35 58.73,26.85 58.73,27.54 57.53,28.74 57.53,29.24 57.43,29.34 56.99,29.34 56.59,29.75 v2(56.33,29.75)
JTAG_TCK: length 48.8
  TOP w0.102: U4.G9 55.53,32.95 61.44,32.95 61.55,32.84 63.54,32.84 64.05,32.33 69.83,32.33 v1(70.34,31.82) ; P1.4 62.84,8.71 60.3,8.71 TCK.1
  L5_SIG w0.114: v1(70.34,31.82) 69.71,31.19 69.71,29.24 68.74,28.27 68.74,26.54 69.71,25.57 69.71,20.03 68.82,19.14 68.82,13.42 67.16,11.76 v1(67.16,11.12)
  BOTTOM w0.102: v1(67.16,11.12) 67.16,10.49 P1.4
JTAG_TDI: length 43.7
  TOP w0.102: P1.8 67.41,8.2 69.06,8.2 69.82,7.44 69.82,6.8 TDI.1 ; U4.L7 v2(51.53,34.55)
  L5_SIG w0.114: v2(51.53,34.55) 51.53,34.54 51.92,34.15 54.13,34.15 55.43,32.85 59.27,32.85 61.44,30.69 61.44,23.83 62.58,22.68 62.58,17.85 63.85,16.58 63.85,10.23 P1.8
JTAG_TDO: length 42.9
  TOP w0.102: U4.L8 v2(51.53,33.75) ; P1.6 66.65,8.71 69.19,8.71 69.82,8.07 TDO.1
  L5_SIG w0.114: v2(51.53,33.75) 51.53,33.74 51.92,33.35 54.53,33.35 55.33,32.55 59.14,32.55 59.93,31.75 59.93,30.27 60.23,29.97 60.23,29.49 60.68,29.04 60.68,23.95 62.2,22.43 62.2,17.6 63.35,16.46 63.35,9.47 P1.6
JTAG_TMS: length 38.5
  TOP w0.102: P1.2 61.57,7.44 TMS.1 ; U4.L9 v2(51.53,32.95)
  L5_SIG w0.114: v2(51.53,32.95) 52.73,31.75 59.13,31.75 59.53,31.35 59.53,30.31 59.92,29.93 59.92,29.22 60.3,28.84 60.3,23.7 61.82,22.17 61.82,17.35 62.84,16.33 P1.2
PG_1P0V: length 2.4
  TOP w0.305: U3.16 92.57,21.55 v1(92.94,21.92)
  BOTTOM w0.305: R6.2 v1(92.94,21.92)
PG_1P3V: length 167.7
  TOP w0.127: v1(51.53,14.17) 51.3,14.41 U12.4 ; v2(58.73,32.15) 58.33,32.55 U4.C9 ; U7.5 43.15,10.57 43.28,10.44 46.25,10.44 PG_1P3V.1
  L5_SIG w0.127: v1(70.47,11.16) 70.47,25.64 71.24,26.41 71.24,28.14 70.47,28.91 70.47,29.45 71.49,30.46 v1(71.49,30.85) ; v1(24.36,13.28) 24.36,14.68 25.12,15.44 28.8,15.44 30.58,13.66 43.03,13.66 PG_1P3V.1
  L6_SIG w0.127: v1(71.49,30.85) 71.49,31.8 70.95,32.33 69.95,32.33 69.76,32.15 v2(58.73,32.15) ; v1(70.47,11.16) 69.8,10.49 63.52,10.49 59.84,14.17 v1(51.53,14.17) 51.41,14.17 47.47,10.23 PG_1P3V.1 45.31,9.09 36.8,9.09 36.42,8.71 32.74,8.71 32.36,9.09 24.1,9.09 22.58,10.62 22.58,39.83 21.94,40.46 21.94,41.48 22.58,42.11 22.58,46.43 26.01,49.86 v1(26.01,50.87)
  BOTTOM w0.127: U11.4 24.36,12.29 v1(24.36,13.28) ; v1(71.49,30.85) 71.49,31.44 R15.1 71.52,32.01 C47.1 72.95,32.01 R13.2 ; v1(26.01,50.87) 25.96,50.92 U1.5
PG_1P8V: length 12
  TOP w0.203: U6.13 91.8,47.44 91.79,47.44 v2(91.79,47.49) ; U6.29 92.3,41.05 v2(92.42,40.7)
  L5_SIG w0.305: v2(92.42,40.7) 92.42,41.08 94.21,42.87 94.21,46.3 93.57,46.94 92.3,46.94 91.79,47.44 v2(91.79,47.49)
  BOTTOM w0.305: R59.1 92.42,39.95 v2(92.42,40.7)
PG_1P35V: length 166.3
  TOP w0.127: U7.4 42.22,9.95 42.25,9.93 v1(44.91,9.93)
  TOP w0.203: v2(92.45,48.23) 92.3,48.08 U6.12
  L5_SIG w0.127: v1(76.93,11.12) 76.19,11.87 76.19,16.75 77.71,18.27 77.71,19.54 79.36,21.19 79.36,27.29 79.87,27.8 79.87,32.88 85.58,38.59 85.58,45.32 88.47,48.21 92.43,48.21 v2(92.45,48.23)
  L6_SIG w0.127: 44.91,9.95 45.88,10.93 47.53,10.93 51.28,14.68 59.92,14.68 63.01,11.59 76.47,11.59 v1(76.93,11.12) ; 44.91,9.95 v1(44.91,9.93) ; 44.91,9.95 44.55,9.6 36.8,9.6 36.3,9.09 32.9,9.09 32.52,9.47 24.36,9.47 23.04,10.79 23.04,46.25 27.15,50.37 v1(27.15,52.52)
  BOTTOM w0.127: v1(27.15,52.52) 26.89,52.79 U1.4 ; R50.1 83.54,45.03 85.44,46.94 91.92,46.94 92.43,47.44 92.43,48.21 v2(92.45,48.23)
PL_GPIO0: length 50.1
  TOP w0.127: U4.K13 v2(52.33,28.95)
  L6_SIG w0.127: L10P.1 83.16,8.07 83.16,10.61 81.52,12.25 65.02,12.25 58.53,18.74 58.53,26.14 57.83,26.84 57.83,27.74 57.53,28.04 57.53,29.14 57.33,29.34 56.93,29.34 56.73,29.54 56.73,29.94 56.53,30.15 54.23,30.15 53.43,29.35 52.93,29.35 52.53,28.95 v2(52.33,28.95)
PL_GPIO1: length 55.5
  TOP w0.102: U4.M12 v2(50.73,29.75)
  L6_SIG w0.127: v2(50.73,29.75) 50.73,29.65 51.03,29.35 52.53,29.35 52.73,29.55 52.73,30.75 52.93,30.95 57.33,30.95 57.53,30.75 57.53,29.54 57.73,29.34 58.13,29.34 58.33,29.14 58.33,28.34 59.33,27.34 59.33,19.14 64.36,14.11 67.73,14.11 68.81,13.03 82.65,13.03 85.7,9.98 85.7,8.07 L12N.1
PL_GPIO2: length 52
  TOP w0.127: U4.R10 v2(48.25,31.75)
  L6_SIG w0.127: L24N.1 81.89,11.25 81.25,11.88 64.78,11.88 58.13,18.54 58.13,25.72 57.53,26.32 57.53,27.44 57.33,27.64 56.93,27.64 56.73,27.84 56.73,29.14 56.53,29.34 54.53,29.34 54.35,29.17 54.35,28.83 54.07,28.55 49.79,28.55 49.53,28.81 49.53,30.25 48.25,31.53 v2(48.25,31.75)
PL_GPIO3: length 78.1
  TOP w0.102: v2(49.53,26.85) 49.93,27.25 49.93,28.15 U4.N14
  TOP w0.305: R97.2 99.67,10.08 97.89,10.08 L7N.1
  L6_SIG w0.127: L7N.1 98.04,9.32 98.78,8.58 98.78,6.17 97.13,4.52 80.24,4.52 78.71,2.99 70.46,2.99 69.57,3.88 58.52,3.88 57.38,5.03 v1(57.38,11.63)